# KiCad board ProDocument_ZYNQ7020_V1_2024-04-10.kicad_pcb
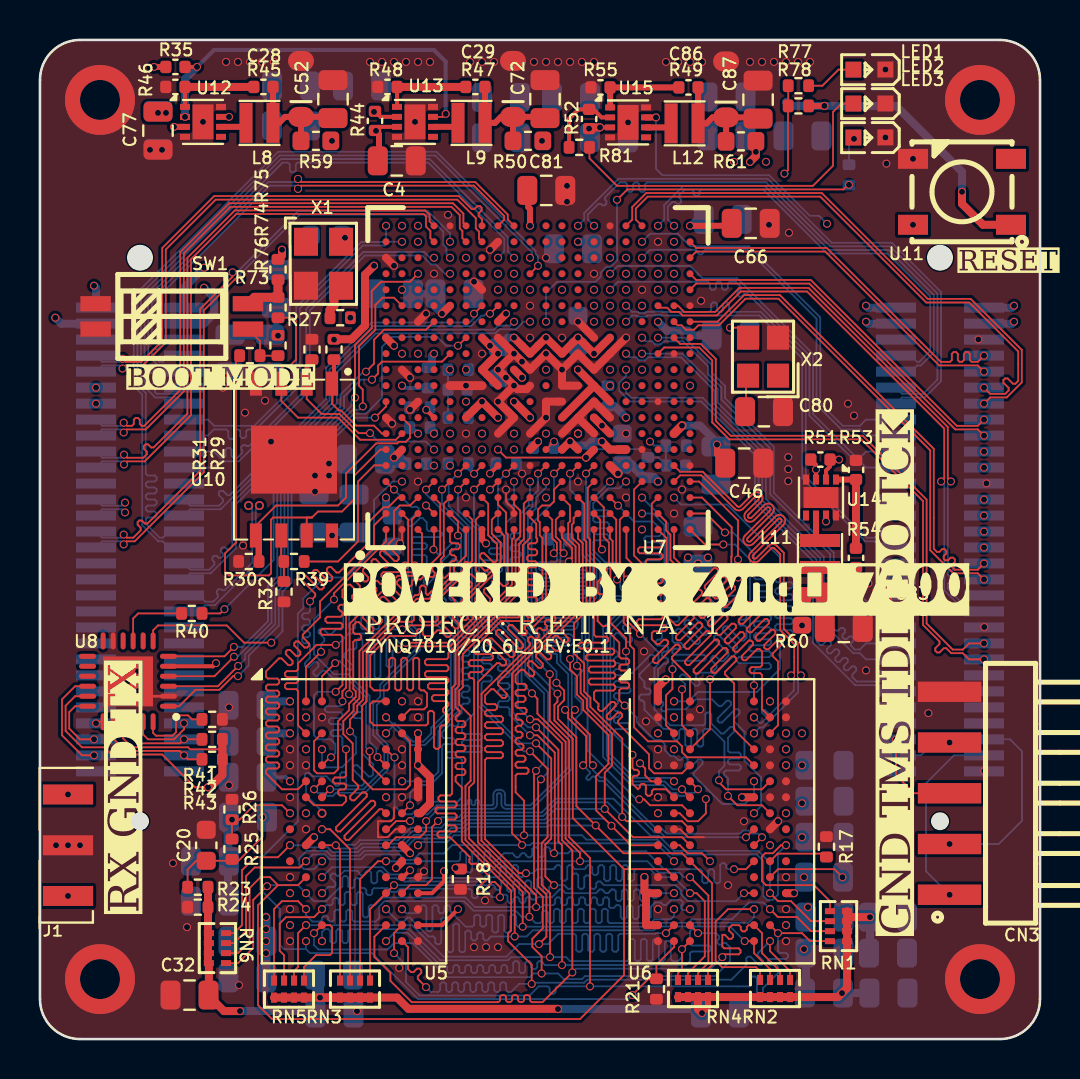
[diagram p0: board, top side]
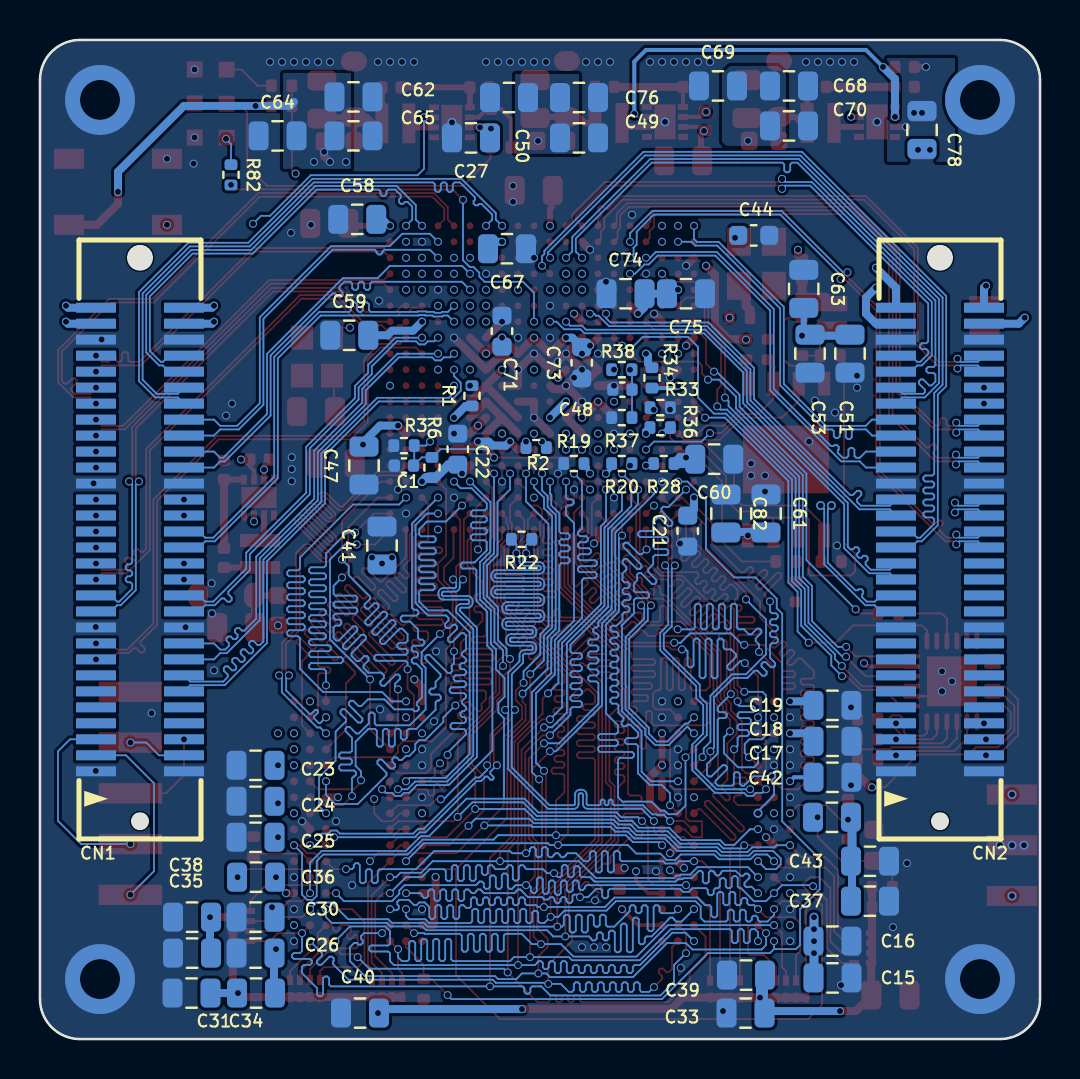
[diagram p1: board, bottom side, seen from below]

Outline 50 x 50 mm; copper layers: TOP_GND (plane), GND0 (plane), SIGNAL1, GND1 (plane), SIGNAL2, BOTTOM (plane). Coordinates in mm from the lower left corner of the outline.
Outline path: 0,48 0,2 arc(0.59,0.59) 2,0 48,0 arc(49.41,0.59) 50,2 50,48 arc(49.41,49.41) 48,50 2,50 arc(0.59,49.41) 0,48
Stack: TOP_GND 0.035mm / dielectric 0.274mm FR4 er 4.5 / GND0 0.035mm / dielectric 0.274mm FR4 er 4.5 / SIGNAL1 0.035mm / dielectric 0.274mm FR4 er 4.5 / GND1 0.035mm / dielectric 0.274mm FR4 er 4.5 / SIGNAL2 0.035mm / dielectric 0.274mm FR4 er 4.5 / BOTTOM 0.035mm

## Placement (name value [footprint] x y rotation side)
C1  100nF  [C_0402_1005Metric]  31.8 28.7 0 bottom
C4  22uF  [C_0805_2012Metric]  17.84 43.95 0 top
C15  100nF  [C_0805_2012Metric]  10.37 3.06 0 bottom
C16  100nF  [C_0805_2012Metric]  10.38 4.9 0 bottom
C17  100nF  [C_0805_2012Metric]  10.38 13.1 0 bottom
C18  100nF  [C_0805_2012Metric]  10.38 14.9 0 bottom
C19  100nF  [C_0805_2012Metric]  10.38 16.7 0 bottom
C20  100nF  [C_0603_1608Metric]  8.31 9.7 270 top
C21  100nF  [C_0603_1608Metric]  17.61 25.42 90 bottom
C22  100nF  [C_0603_1608Metric]  29.11 29.52 270 bottom
C23  100nF  [C_0805_2012Metric]  39.22 13.7 180 bottom
C24  100nF  [C_0805_2012Metric]  39.22 11.9 180 bottom
C25  100nF  [C_0805_2012Metric]  39.22 10.1 180 bottom
C26  100nF  [C_0805_2012Metric]  39.22 4.3 180 bottom
C27  22uF  [C_0805_2012Metric]  28.45 45.1 0 bottom
C28  47uF  [CAP-SMD_L3.2-W1.6-RD_WU]  13.05 47.55 270 top
C29  47uF  [CAP-SMD_L3.2-W1.6-RD_WU]  23.65 47.55 270 top
C30  100nF  [C_0805_2012Metric]  39.22 6.1 180 bottom
C31  100nF  [C_0805_2012Metric]  42.42 2.3 180 bottom
C32  100nF  [C_0805_2012Metric]  7.48 2.2 0 top
C33  100nF  [C_0805_2012Metric]  14.72 1.3 180 bottom
C34  100nF  [C_0805_2012Metric]  39.2 2.3 0 bottom
C35  100nF  [C_0805_2012Metric]  42.4 4.3 0 bottom
C36  100nF  [C_0805_2012Metric]  39.2 8.1 0 bottom
C37  100nF  [C_0805_2012Metric]  8.5 6.9 180 bottom
C38  100nF  [C_0805_2012Metric]  42.4 6.1 0 bottom
C39  100nF  [C_0805_2012Metric]  14.7 3.2 0 bottom
C40  100nF  [C_0805_2012Metric]  34 1.3 0 bottom
C41  100nF  [C_0805_2012Metric]  32.9 24.7 90 bottom
C42  100nF  [C_0805_2012Metric]  10.4 11.1 180 bottom
C43  100nF  [C_0805_2012Metric]  8.5 8.9 180 bottom
C44  100nF  [C_0603_1608Metric]  14.31 40.22 180 bottom
C46  100nF  [C_0805_2012Metric]  35.21 28.82 0 top
C47  100nF  [C_0805_2012Metric]  33.8 28.7 90 bottom
C48  100nF  [C_0402_1005Metric]  20.88 32.5 0 bottom
C49  100nF  [C_0805_2012Metric]  23.05 45.1 180 bottom
C50  100nF  [C_0805_2012Metric]  26.55 47.12 0 bottom
C51  100nF  [C_0805_2012Metric]  9.5 34.3 270 bottom
C52  100nF  [C_0805_2012Metric]  14.65 47.04 90 top
C53  100nF  [C_0805_2012Metric]  11.5 34.3 270 bottom
C58  100nF  [C_0805_2012Metric]  34.14 41.02 180 bottom
C59  100nF  [C_0805_2012Metric]  34.54 35.22 180 bottom
C60  100nF  [C_0805_2012Metric]  16.29 29.02 0 bottom
C61  100nF  [C_0805_2012Metric]  13.7 26.3 270 bottom
C62  100nF  [C_0805_2012Metric]  34.33 47.15 0 bottom
C63  100nF  [C_0805_2012Metric]  11.81 37.54 270 bottom
C64  100nF  [C_0805_2012Metric]  38.12 45.2 180 bottom
C65  100nF  [C_0805_2012Metric]  34.33 45.2 0 bottom
C66  100nF  [C_0805_2012Metric]  35.54 40.82 180 top
C67  100nF  [C_0805_2012Metric]  26.65 39.55 0 bottom
C68  100nF  [C_0805_2012Metric]  12.55 47.7 0 bottom
C69  100nF  [C_0805_2012Metric]  16.1 47.7 180 bottom
C70  100nF  [C_0805_2012Metric]  12.55 45.7 0 bottom
C71  100nF  [C_0603_1608Metric]  26.9 35.43 270 bottom
C72  100nF  [C_0805_2012Metric]  25.25 47.04 90 top
C73  100nF  [C_0603_1608Metric]  22.91 33.85 90 bottom
C74  100nF  [C_0805_2012Metric]  20.72 37.3 180 bottom
C75  100nF  [C_0805_2012Metric]  17.7 37.3 0 bottom
C76  100nF  [C_0805_2012Metric]  23.05 47.12 0 bottom
C77  22uF  [C_0805_2012Metric]  5.9 45.46 270 top
C78  22uF  [C_0805_2012Metric]  5.9 45.5 270 bottom
C80  100nF  [C_0805_2012Metric]  36.2 31.4 0 top
C81  100nF  [C_0805_2012Metric]  25.31 42.47 0 top
C82  100nF  [C_0805_2012Metric]  15.7 26.3 270 bottom
C83  47uF  [CAP-SMD_L3.2-W1.6-RD_WU]  40.7 22.2 180 top
C85  100nF  [C_0805_2012Metric]  40.19 20.6 0 top
C86  47uF  [CAP-SMD_L3.2-W1.6-RD_WU]  34.3 47.53 270 top
C87  100nF  [C_0805_2012Metric]  35.9 47.02 90 top
CN1  X0802WVS-60AS-LPV01  [CONN-SMD_60P-P0.80_XKB_X0802WVS-60ADS-LPV01]  45 25 90 bottom
CN2  X0802WVS-60AS-LPV01  [CONN-SMD_60P-P0.80_XKB_X0802WVS-60ADS-LPV01]  5 25 90 bottom
CN3  1125-1105G0Z087CR01  [CONN-SMD_1125-1105G0Z087CR01]  45.48 12.3 90 top
J1  Conn_01x03_Pin  [PinHeader_1x03_P2.54mm_Vertical_SMD_Pin1Left]  -0.26 9.7 180 top
L8  2.2uH  [L_Taiyo-Yuden_MD-2020]  10.98 45.85 0 top
L9  2.2uH  [L_Taiyo-Yuden_MD-2020]  21.57 45.85 0 top
L11  2.2uH  [L_Taiyo-Yuden_MD-2020]  39 24.27 270 top
L12  2.2uH  [L_Taiyo-Yuden_MD-2020]  32.23 45.83 0 top
LED1  ~  [LED_0603]  41.42 48.51 180 top
LED2  ~  [LED_0603]  41.42 46.81 180 top
LED3  ~  [LED_0603]  41.42 45.11 180 top
R1  10K  [R_0402_1005Metric]  28.4 32.19 90 bottom
R2  10K  [R_0402_1005Metric]  25.19 29.6 0 bottom
R3  10K  [R_0402_1005Metric]  31.8 29.7 0 bottom
R6  10K  [R_0402_1005Metric]  30.4 28.6 90 bottom
R17  10K  [R_0402_1005Metric]  39.32 9.62 90 top
R18  10K  [R_0402_1005Metric]  21.02 8 270 top
R19  10K  [R_0402_1005Metric]  23.31 28.8 180 bottom
R20  10K  [R_0402_1005Metric]  20.91 28.8 0 bottom
R21  10K  [R_0402_1005Metric]  30.82 2.5 90 top
R22  10K  [R_0402_1005Metric]  25.92 25.01 0 bottom
R23  10K  [R_0402_1005Metric]  7.89 7.6 0 top
R24  10K  [R_0402_1005Metric]  7.89 6.6 180 top
R25  10K  [R_0402_1005Metric]  9.6 9.5 90 top
R26  10K  [R_0402_1005Metric]  9.6 11.49 90 top
R27  10K  [R_0402_1005Metric]  15.01 36.1 0 top
R28  10kΩ  [R_0402_1005Metric]  18.81 28.8 0 bottom
R29  470  [R_0402_1005Metric]  14.7 34.51 270 top
R30  10kΩ  [R_0402_1005Metric]  10.44 23.9 0 top
R31  10kΩ  [R_0402_1005Metric]  13.6 34.51 270 top
R32  10kΩ  [R_0402_1005Metric]  12.2 22.39 90 top
R33  10kΩ  [R_0402_1005Metric]  18.99 31.6 0 bottom
R34  10K  [R_0402_1005Metric]  19.4 33.09 90 bottom
R35  10K  [C_0402_1005Metric]  6.77 48.65 0 top
R36  10K  [R_0402_1005Metric]  18.99 30.6 180 bottom
R37  10K  [R_0402_1005Metric]  20.91 31.1 0 bottom
R38  10K  [R_0402_1005Metric]  20.91 33.5 180 bottom
R39  10K  [R_0402_1005Metric]  12.7 23.9 180 top
R40  10K  [R_0402_1005Metric]  7.59 21.3 180 top
R41  10K  [R_0402_1005Metric]  8.61 16 180 top
R42  10K  [R_0402_1005Metric]  8.61 15 0 top
R43  10K  [R_0402_1005Metric]  8.61 14 0 top
R44  10K  [C_0402_1005Metric]  16.75 45.95 90 top
R45  200K  [C_0402_1005Metric]  11.17 47.65 0 top
R46  300K  [C_0402_1005Metric]  6.77 47.65 180 top
R47  200K  [C_0402_1005Metric]  21.77 47.65 0 top
R48  100K  [C_0402_1005Metric]  17.37 47.65 180 top
R49  200K  [C_0402_1005Metric]  32.42 47.62 0 top
R50  0R  [R_0603 COPY]  24.39 44.95 0 top
R51  10K  [C_0402_1005Metric]  39.02 29 0 top
R52  10K  [C_0402_1005Metric]  27.45 46.05 90 top
R53  133K  [C_0402_1005Metric]  40.8 28.48 90 top
R54  200K  [C_0402_1005Metric]  40.8 24.08 270 top
R55  44.2K  [C_0402_1005Metric]  28.02 47.63 180 top
R59  0R  [R_0603 COPY]  13.8 44.95 0 top
R60  0R  [R_0603 COPY]  38.1 21.45 270 top
R61  0R  [R_0603 COPY]  35.05 44.93 0 top
R73  20kΩ  [R_0402_1005Metric]  10.49 34.2 180 top
R74  20kΩ  [R_0402_1005Metric]  11.9 36.61 270 top
R75  10kΩ  [R_0402_1005Metric]  11.9 38.51 90 top
R76  10kΩ  [R_0402_1005Metric]  11.9 34.71 90 top
R77  10K  [R_0402_1005Metric]  37.92 47.71 180 top
R78  10K  [R_0402_1005Metric]  37.92 46.7 180 top
R81  10K  [R_0402_1005Metric]  26.96 44.63 180 top
R82  10K  [R_0402_1005Metric]  40.45 43.25 270 bottom
RN1  49.9Ω  [RES-ARRAY-SMD_0402-8P-L2.0-W1.0-BL]  39.93 5.65 90 top
RN2  49.9Ω  [RES-ARRAY-SMD_0402-8P-L2.0-W1.0-BL]  36.75 2.53 0 top
RN3  49.9Ω  [RES-ARRAY-SMD_0402-8P-L2.0-W1.0-BL]  15.75 2.5 0 top
RN4  49.9Ω  [RES-ARRAY-SMD_0402-8P-L2.0-W1.0-BL]  32.65 2.53 0 top
RN5  49.9Ω  [RES-ARRAY-SMD_0402-8P-L2.0-W1.0-BL]  12.45 2.5 0 top
RN6  49.9Ω  [RES-ARRAY-SMD_0402-8P-L2.0-W1.0-BL]  8.87 4.55 270 top
SW1  DSHP02TSGET  [SW-SMD_4P_DSHP02TSGET]  6.59 36.16 270 top
U5  MT41K256M16TW-107 IT:P  [Micron_FBGA-96_9x14mm_Layout9x16_P0.8mm]  15.7 10.9 0 top
U6  MT41K256M16TW-107 IT:P  [Micron_FBGA-96_9x14mm_Layout9x16_P0.8mm]  34.1 10.9 0 top
U7  ~  [FBGA-400_L17.0-W17.0-R20-C20-P0.80-TL]  24.9 33.1 90 top
U8  ~  [WQFN-24_L4.0-W4.0-P0.50-TL-EP2.5]  4.4 17.9 180 top
U10  W25Q128JVEIQ  [WSON-8_L6.0-W8.0-P1.27-BL-EP]  12.7 29 180 top
U11  WS2812B-V5  [LED-SMD_4P-L5.0-W5.0-TL_WS2812B-B]  46.1 42.4 180 top
U12  SY8003ADFC  [DFN-8-1EP_2x2mm_P0.5mm_EP1.05x1.75mm]  8.15 45.9 0 top
U13  SY8003ADFC  [DFN-8-1EP_2x2mm_P0.5mm_EP1.05x1.75mm]  18.75 45.9 0 top
U14  SY8003ADFC  [DFN-8-1EP_2x2mm_P0.5mm_EP1.05x1.75mm]  39.05 27.1 270 top
U15  SY8003ADFC  [DFN-8-1EP_2x2mm_P0.5mm_EP1.05x1.75mm]  29.4 45.88 0 top
X1  50MHz  [OSC-SMD_4P-L3.2-W2.5-BL]  14.18 38.8 270 top
X2  50MHz  [OSC-SMD_4P-L2.5-W2.0-BL]  36.15 34.15 90 top

## Library data of the parts
C4 C27 C52 C72 C77 C78 C85 C87 = -: Manufacturer: TDK; Manufacturer Part: C1608X5R1E106MT000E; Origin Footprint: C_0805_HD COPY; Supplier: LCSC; Supplier Part: C76614
C28 C29 C83 C86 = -: JLCPCB Part Class: Extended Part; Manufacturer: Sunlord; Manufacturer Part: TC212A476K006B; Origin Footprint: CAP-SMD_L3.2-W1.6-RD_WU; Supplier: LCSC; Supplier Part: C124826
J1 = -: Description: Generic connector, single row, 01x03, script generated; ki_fp_filters: Connector*:*_1x??_*
L8 L9 L11 L12 = -: JLCPCB Part Class: Extended Part; Manufacturer: Sumida; Manufacturer Part: 252012CDMCDDS-2R2MC; Origin Footprint: IND-SMD_L2.5-W2.0_WU; Supplier: LCSC; Supplier Part: C351245
R35 R44-R49 R51-R55 = -: Manufacturer: WTC; Manufacturer Part: WR06X1001FTL; Origin Footprint: R_0402 COPY; Supplier: LCSC; Supplier Part: C112433
R50 R59-R61 = -: Manufacturer: WTC; Manufacturer Part: WR06X1001FTL; Origin Footprint: R_0603 COPY; Supplier: LCSC; Supplier Part: C112433
U7 = -: Manufacturer Part: XC7Z020-1CLG400C; NO_CONNECT: yes
U12-U15 = -: JLCPCB Part Class: Extended Part; Manufacturer: Silergy; Origin Footprint: DFN-8_L2.0-W2.0-P0.50-LS2.0-BL-EP_WU; Supplier: LCSC; Supplier Part: C178236

## Footprints (pads in the part's own frame, mm; a bottom-side part is the same pattern mirrored in y, then rotated)
C_0402_1005Metric
  rrect 0.56x0.62 smd: 1(-0.48,0) 2(0.48,0)
C_0603_1608Metric
  rrect 0.9x0.95 smd: 1(-0.775,0) 2(0.775,0)
C_0805_2012Metric
  rrect 1x1.45 smd: 1(-0.95,0) 2(0.95,0)
CAP-SMD_L3.2-W1.6-RD_WU
  oval 1x1.296 smd: 1(1.4,0) 2(-1.4,0)
CONN-SMD_60P-P0.80_XKB_X0802WVS-60ADS-LPV01
  rect 0.5x2 smd: 1(-11.6,2.2) 2(-11.6,-2.2) 3(-10.8,2.2) 4(-10.8,-2.2) 5(-10,2.2) 6(-10,-2.2) 7(-9.2,2.2) 8(-9.2,-2.2) 9(-8.4,2.2) 10(-8.4,-2.2) 11(-7.6,2.2) 12(-7.6,-2.2) 13(-6.8,2.2) 14(-6.8,-2.2) 15(-6,2.2) 16(-6,-2.2) 17(-5.2,2.2) 18(-5.2,-2.2) 19(-4.4,2.2) 20(-4.4,-2.2) 21(-3.6,2.2) 22(-3.6,-2.2) 23(-2.8,2.2) 24(-2.8,-2.2) 25(-2,2.2) 26(-2,-2.2) 27(-1.2,2.2) 28(-1.2,-2.2) 29(-0.4,2.2) 30(-0.4,-2.2) 31(0.4,2.2) 32(0.4,-2.2) 33(1.2,2.2) 34(1.2,-2.2) 35(2,2.2) 36(2,-2.2) 37(2.8,2.2) 38(2.8,-2.2) 39(3.6,2.2) 40(3.6,-2.2) 41(4.4,2.2) 42(4.4,-2.2) 43(5.2,2.2) 44(5.2,-2.2) 45(6,2.2) 46(6,-2.2) 47(6.8,2.2) 48(6.8,-2.2) 49(7.6,2.2) 50(7.6,-2.2) 51(8.4,2.2) 52(8.4,-2.2) 53(9.2,2.2) 54(9.2,-2.2) 55(10,2.2) 56(10,-2.2) 57(10.8,2.2) 58(10.8,-2.2) 59(11.6,2.2) 60(11.6,-2.2)
CONN-SMD_1125-1105G0Z087CR01
  rect 1.02x3.17 smd: 1(-5.08,0) 2(-2.54,0) 3(0,0) 4(2.54,0) 5(5.08,0)
DFN-8-1EP_2x2mm_P0.5mm_EP1.05x1.75mm
  rect 0.85x0.65 smd: (0,0.438) (0,-0.438)
  rect 0.5x0.3 smd: 1(-0.9,0.75) 2(-0.9,0.25) 3(-0.9,-0.25) 4(-0.9,-0.75) 5(0.9,-0.75) 6(0.9,-0.25) 7(0.9,0.25) 8(0.9,0.75)
  rect 1.05x1.75 smd: 9(0,0)
FBGA-400_L17.0-W17.0-R20-C20-P0.80-TL
  round 0.35 smd: A1(-7.6,7.6) A2(-6.8,7.6) A3(-6,7.6) A4(-5.2,7.6) A5(-4.4,7.6) A6(-3.6,7.6) A7(-2.8,7.6) A8(-2,7.6) A9(-1.2,7.6) A10(-0.4,7.6) A11(0.4,7.6) A12(1.2,7.6) A13(2,7.6) A14(2.8,7.6) A15(3.6,7.6) A16(4.4,7.6) A17(5.2,7.6) A18(6,7.6) A19(6.8,7.6) A20(7.6,7.6) B1(-7.6,6.8) B2(-6.8,6.8) B3(-6,6.8) B4(-5.2,6.8) B5(-4.4,6.8) B6(-3.6,6.8) B7(-2.8,6.8) B8(-2,6.8) B9(-1.2,6.8) B10(-0.4,6.8) B11(0.4,6.8) B12(1.2,6.8) B13(2,6.8) B14(2.8,6.8) B15(3.6,6.8) B16(4.4,6.8) B17(5.2,6.8) B18(6,6.8) B19(6.8,6.8) B20(7.6,6.8) C1(-7.6,6) C2(-6.8,6) C3(-6,6) C4(-5.2,6) C5(-4.4,6) C6(-3.6,6) C7(-2.8,6) C8(-2,6) C9(-1.2,6) C10(-0.4,6) C11(0.4,6) C12(1.2,6) C13(2,6) C14(2.8,6) C15(3.6,6) C16(4.4,6) C17(5.2,6) C18(6,6) C19(6.8,6) C20(7.6,6) D1(-7.6,5.2) D2(-6.8,5.2) D3(-6,5.2) D4(-5.2,5.2) D5(-4.4,5.2) D6(-3.6,5.2) D7(-2.8,5.2) D8(-2,5.2) D9(-1.2,5.2) D10(-0.4,5.2) D11(0.4,5.2) D12(1.2,5.2) D13(2,5.2) D14(2.8,5.2) D15(3.6,5.2) D16(4.4,5.2) D17(5.2,5.2) D18(6,5.2) D19(6.8,5.2) D20(7.6,5.2) E1(-7.6,4.4) E2(-6.8,4.4) E3(-6,4.4) E4(-5.2,4.4) E5(-4.4,4.4) E6(-3.6,4.4) E7(-2.8,4.4) E8(-2,4.4) E9(-1.2,4.4) E10(-0.4,4.4) E11(0.4,4.4) E12(1.2,4.4) E13(2,4.4) E14(2.8,4.4) E15(3.6,4.4) E16(4.4,4.4) E17(5.2,4.4) E18(6,4.4) E19(6.8,4.4) E20(7.6,4.4) F1(-7.6,3.6) F2(-6.8,3.6) F3(-6,3.6) F4(-5.2,3.6) F5(-4.4,3.6) F6(-3.6,3.6) F7(-2.8,3.6) F8(-2,3.6) F9(-1.2,3.6) F10(-0.4,3.6) F11(0.4,3.6) F12(1.2,3.6) F13(2,3.6) F14(2.8,3.6) F15(3.6,3.6) F16(4.4,3.6) F17(5.2,3.6) F18(6,3.6) F19(6.8,3.6) F20(7.6,3.6) G1(-7.6,2.8) G2(-6.8,2.8) G3(-6,2.8) G4(-5.2,2.8) G5(-4.4,2.8) G6(-3.6,2.8) G7(-2.8,2.8) G8(-2,2.8) G9(-1.2,2.8) G10(-0.4,2.8) G11(0.4,2.8) G12(1.2,2.8) G13(2,2.8) G14(2.8,2.8) G15(3.6,2.8) G16(4.4,2.8) G17(5.2,2.8) G18(6,2.8) G19(6.8,2.8) G20(7.6,2.8) H1(-7.6,2) H2(-6.8,2) H3(-6,2) H4(-5.2,2) H5(-4.4,2) H6(-3.6,2) H7(-2.8,2) H8(-2,2) H9(-1.2,2) H10(-0.4,2) H11(0.4,2) H12(1.2,2) H13(2,2) H14(2.8,2) H15(3.6,2) H16(4.4,2) H17(5.2,2) H18(6,2) H19(6.8,2) H20(7.6,2) J1(-7.6,1.2) J2(-6.8,1.2) J3(-6,1.2) J4(-5.2,1.2) J5(-4.4,1.2) J6(-3.6,1.2) J7(-2.8,1.2) J8(-2,1.2) J9(-1.2,1.2) J10(-0.4,1.2) J11(0.4,1.2) J12(1.2,1.2) J13(2,1.2) J14(2.8,1.2) J15(3.6,1.2) J16(4.4,1.2) J17(5.2,1.2) J18(6,1.2) J19(6.8,1.2) J20(7.6,1.2) K1(-7.6,0.4) K2(-6.8,0.4) K3(-6,0.4) K4(-5.2,0.4) K5(-4.4,0.4) K6(-3.6,0.4) K7(-2.8,0.4) K8(-2,0.4) K9(-1.2,0.4) K10(-0.4,0.4) K11(0.4,0.4) K12(1.2,0.4) K13(2,0.4) K14(2.8,0.4) K15(3.6,0.4) K16(4.4,0.4) K17(5.2,0.4) K18(6,0.4) K19(6.8,0.4) K20(7.6,0.4) L1(-7.6,-0.4) L2(-6.8,-0.4) L3(-6,-0.4) L4(-5.2,-0.4) L5(-4.4,-0.4) L6(-3.6,-0.4) L7(-2.8,-0.4) L8(-2,-0.4) L9(-1.2,-0.4) L10(-0.4,-0.4) L11(0.4,-0.4) L12(1.2,-0.4) L13(2,-0.4) L14(2.8,-0.4) L15(3.6,-0.4) L16(4.4,-0.4) L17(5.2,-0.4) L18(6,-0.4) L19(6.8,-0.4) L20(7.6,-0.4) M1(-7.6,-1.2) M2(-6.8,-1.2) M3(-6,-1.2) M4(-5.2,-1.2) M5(-4.4,-1.2) M6(-3.6,-1.2) M7(-2.8,-1.2) M8(-2,-1.2) M9(-1.2,-1.2) M10(-0.4,-1.2) M11(0.4,-1.2) M12(1.2,-1.2) M13(2,-1.2) M14(2.8,-1.2) M15(3.6,-1.2) M16(4.4,-1.2) M17(5.2,-1.2) M18(6,-1.2) M19(6.8,-1.2) M20(7.6,-1.2) N1(-7.6,-2) N2(-6.8,-2) N3(-6,-2) N4(-5.2,-2) N5(-4.4,-2) N6(-3.6,-2) N7(-2.8,-2) N8(-2,-2) N9(-1.2,-2) N10(-0.4,-2) N11(0.4,-2) N12(1.2,-2) N13(2,-2) N14(2.8,-2) N15(3.6,-2) N16(4.4,-2) N17(5.2,-2) N18(6,-2) N19(6.8,-2) N20(7.6,-2) P1(-7.6,-2.8) P2(-6.8,-2.8) P3(-6,-2.8) P4(-5.2,-2.8) P5(-4.4,-2.8) P6(-3.6,-2.8) P7(-2.8,-2.8) P8(-2,-2.8) P9(-1.2,-2.8) P10(-0.4,-2.8) P11(0.4,-2.8) P12(1.2,-2.8) P13(2,-2.8) P14(2.8,-2.8) P15(3.6,-2.8) P16(4.4,-2.8) P17(5.2,-2.8) P18(6,-2.8) P19(6.8,-2.8) P20(7.6,-2.8) R1(-7.6,-3.6) R2(-6.8,-3.6) R3(-6,-3.6) R4(-5.2,-3.6) R5(-4.4,-3.6) R6(-3.6,-3.6) R7(-2.8,-3.6) R8(-2,-3.6) R9(-1.2,-3.6) R10(-0.4,-3.6) R11(0.4,-3.6) R12(1.2,-3.6) R13(2,-3.6) R14(2.8,-3.6) R15(3.6,-3.6) R16(4.4,-3.6) R17(5.2,-3.6) R18(6,-3.6) R19(6.8,-3.6) R20(7.6,-3.6) T1(-7.6,-4.4) T2(-6.8,-4.4) T3(-6,-4.4) T4(-5.2,-4.4) T5(-4.4,-4.4) T6(-3.6,-4.4) T7(-2.8,-4.4) T8(-2,-4.4) T9(-1.2,-4.4) T10(-0.4,-4.4) T11(0.4,-4.4) T12(1.2,-4.4) T13(2,-4.4) T14(2.8,-4.4) T15(3.6,-4.4) T16(4.4,-4.4) T17(5.2,-4.4) T18(6,-4.4) T19(6.8,-4.4) T20(7.6,-4.4) U1(-7.6,-5.2) U2(-6.8,-5.2) U3(-6,-5.2) U4(-5.2,-5.2) U5(-4.4,-5.2) U6(-3.6,-5.2) U7(-2.8,-5.2) U8(-2,-5.2) U9(-1.2,-5.2) U10(-0.4,-5.2) U11(0.4,-5.2) U12(1.2,-5.2) U13(2,-5.2) U14(2.8,-5.2) U15(3.6,-5.2) U16(4.4,-5.2) U17(5.2,-5.2) U18(6,-5.2) U19(6.8,-5.2) U20(7.6,-5.2) V1(-7.6,-6) V2(-6.8,-6) V3(-6,-6) V4(-5.2,-6) V5(-4.4,-6) V6(-3.6,-6) V7(-2.8,-6) V8(-2,-6) V9(-1.2,-6) V10(-0.4,-6) V11(0.4,-6) V12(1.2,-6) V13(2,-6) V14(2.8,-6) V15(3.6,-6) V16(4.4,-6) V17(5.2,-6) V18(6,-6) V19(6.8,-6) V20(7.6,-6) W1(-7.6,-6.8) W2(-6.8,-6.8) W3(-6,-6.8) W4(-5.2,-6.8) W5(-4.4,-6.8) W6(-3.6,-6.8) W7(-2.8,-6.8) W8(-2,-6.8) W9(-1.2,-6.8) W10(-0.4,-6.8) W11(0.4,-6.8) W12(1.2,-6.8) W13(2,-6.8) W14(2.8,-6.8) W15(3.6,-6.8) W16(4.4,-6.8) W17(5.2,-6.8) W18(6,-6.8) W19(6.8,-6.8) W20(7.6,-6.8) Y1(-7.6,-7.6) Y2(-6.8,-7.6) Y3(-6,-7.6) Y4(-5.2,-7.6) Y5(-4.4,-7.6) Y6(-3.6,-7.6) Y7(-2.8,-7.6) Y8(-2,-7.6) Y9(-1.2,-7.6) Y10(-0.4,-7.6) Y11(0.4,-7.6) Y12(1.2,-7.6) Y13(2,-7.6) Y14(2.8,-7.6) Y15(3.6,-7.6) Y16(4.4,-7.6) Y17(5.2,-7.6) Y18(6,-7.6) Y19(6.8,-7.6) Y20(7.6,-7.6)
L_Taiyo-Yuden_MD-2020
  rect 0.65x2 smd: 1(-0.675,0) 2(0.675,0)
LED-SMD_4P-L5.0-W5.0-TL_WS2812B-B
  rect 1.5x1 smd: 1(-2.45,1.65) 2(-2.45,-1.65) 3(2.45,-1.65) 4(2.45,1.65)
LED_0603
  rect 0.8x0.8 smd: 1(-0.851,-0.01) 2(0.75,-0.005)
Micron_FBGA-96_9x14mm_Layout9x16_P0.8mm
  round 0.4 smd: A1(-3.2,6) A2(-2.4,6) A3(-1.6,6) A7(1.6,6) A8(2.4,6) A9(3.2,6) B1(-3.2,5.2) B2(-2.4,5.2) B3(-1.6,5.2) B7(1.6,5.2) B8(2.4,5.2) B9(3.2,5.2) C1(-3.2,4.4) C2(-2.4,4.4) C3(-1.6,4.4) C7(1.6,4.4) C8(2.4,4.4) C9(3.2,4.4) D1(-3.2,3.6) D2(-2.4,3.6) D3(-1.6,3.6) D7(1.6,3.6) D8(2.4,3.6) D9(3.2,3.6) E1(-3.2,2.8) E2(-2.4,2.8) E3(-1.6,2.8) E7(1.6,2.8) E8(2.4,2.8) E9(3.2,2.8) F1(-3.2,2) F2(-2.4,2) F3(-1.6,2) F7(1.6,2) F8(2.4,2) F9(3.2,2) G1(-3.2,1.2) G2(-2.4,1.2) G3(-1.6,1.2) G7(1.6,1.2) G8(2.4,1.2) G9(3.2,1.2) H1(-3.2,0.4) H2(-2.4,0.4) H3(-1.6,0.4) H7(1.6,0.4) H8(2.4,0.4) H9(3.2,0.4) J1(-3.2,-0.4) J2(-2.4,-0.4) J3(-1.6,-0.4) J7(1.6,-0.4) J8(2.4,-0.4) J9(3.2,-0.4) K1(-3.2,-1.2) K2(-2.4,-1.2) K3(-1.6,-1.2) K7(1.6,-1.2) K8(2.4,-1.2) K9(3.2,-1.2) L1(-3.2,-2) L2(-2.4,-2) L3(-1.6,-2) L7(1.6,-2) L8(2.4,-2) L9(3.2,-2) M1(-3.2,-2.8) M2(-2.4,-2.8) M3(-1.6,-2.8) M7(1.6,-2.8) M8(2.4,-2.8) M9(3.2,-2.8) N1(-3.2,-3.6) N2(-2.4,-3.6) N3(-1.6,-3.6) N7(1.6,-3.6) N8(2.4,-3.6) N9(3.2,-3.6) P1(-3.2,-4.4) P2(-2.4,-4.4) P3(-1.6,-4.4) P7(1.6,-4.4) P8(2.4,-4.4) P9(3.2,-4.4) R1(-3.2,-5.2) R2(-2.4,-5.2) R3(-1.6,-5.2) R7(1.6,-5.2) R8(2.4,-5.2) R9(3.2,-5.2) T1(-3.2,-6) T2(-2.4,-6) T3(-1.6,-6) T7(1.6,-6) T8(2.4,-6) T9(3.2,-6)
OSC-SMD_4P-L2.5-W2.0-BL
  rect 1.2x1.1 smd: 1(-0.95,-0.75) 2(0.95,-0.75) 3(0.95,0.75) 4(-0.95,0.75)
OSC-SMD_4P-L3.2-W2.5-BL
  rect 1.4x1.2 smd: 1(-1.1,-0.875) 2(1.1,-0.875) 3(1.1,0.875) 4(-1.1,0.875)
PinHeader_1x03_P2.54mm_Vertical_SMD_Pin1Left
  rect 2.51x1 smd: 1(-1.655,2.54) 2(-1.655,0) 3(-1.655,-2.54)
R_0402_1005Metric
  rrect 0.54x0.64 smd: 1(-0.51,0) 2(0.51,0)
R_0603 COPY
  custom 0.84x0.93 smd: 1(-0.745,0) 2(0.745,0)
RES-ARRAY-SMD_0402-8P-L2.0-W1.0-BL
  rect 0.3x0.505 smd: 1(-0.75,0.427) 2(-0.25,0.427) 3(0.25,0.427) 4(0.75,0.427) 5(0.75,-0.427) 6(0.25,-0.427) 7(-0.25,-0.427) 8(-0.75,-0.427)
SW-SMD_4P_DSHP02TSGET
  rect 0.762x1.524 smd: 1(-0.635,-3.81) 2(0.635,-3.81) 3(0.635,3.81) 4(-0.635,3.81)
WQFN-24_L4.0-W4.0-P0.50-TL-EP2.5
  oval 0.851x0.249 smd: 1(-2.025,1.244) 2(-2.025,0.744) 3(-2.025,0.244) 4(-2.025,-0.257) 5(-2.025,-0.754) 6(-2.025,-1.255) 13(2.025,-1.255) 14(2.025,-0.754) 15(2.025,-0.257) 16(2.025,0.244) 17(2.025,0.744) 18(2.025,1.244)
  oval 0.249x0.851 smd: 7(-1.255,-2.025) 8(-0.757,-2.025) 9(-0.257,-2.025) 10(0.244,-2.025) 11(0.744,-2.025) 12(1.244,-2.025) 19(1.244,2.025) 20(0.744,2.025) 21(0.244,2.025) 22(-0.257,2.025) 23(-0.757,2.025) 24(-1.255,2.025)
  rect 2.499x2.499 smd: 25(0,0)
WSON-8_L6.0-W8.0-P1.27-BL-EP
  rect 0.6x1.2 smd: 1(-1.905,-3.8) 2(-0.635,-3.8) 3(0.635,-3.8) 4(1.905,-3.8) 5(1.905,3.8) 6(0.635,3.8) 7(-0.635,3.8) 8(-1.905,3.8)
  rect 4.3x3.4 smd: 9(0.001,0.001)

## Nets
1.0V: C68.2 C69.2 C70.2 C71.2 C73.2 R59.2 U7.G7 U7.G11 U7.G13 U7.H10 U7.H12 U7.J7 U7.J13 U7.K12 U7.L7 U7.L13 U7.M12 U7.N7 U7.N13 U7.P8 U7.P12 U7.R7 U7.R13
1.5V: C15.2 C16.2 C17.2 C18.2 C19.2 C20.2 C21.2 C22.2 C23.2 C24.2 C25.2 C26.2 C30.2 C34.1 C36.1 C41.1 C42.1 R6.1 R20.1 R23.1 R25.1 R60.2 U5.A1 U5.A8 U5.B2 U5.C1 U5.C9 U5.D2 U5.D9 U5.E9 U5.F1 U5.G7 U5.H2 U5.H9 U5.K2 U5.K8 U5.N1 U5.N9 U5.R1 U5.R9 U6.A1 U6.A8 U6.B2 U6.C1 U6.C9 U6.D2 U6.D9 U6.E9 U6.F1 U6.G7 U6.H2 U6.H9 U6.K2 U6.K8 U6.N1 U6.N9 U6.R1 U6.R9 U7.A3 U7.D2 U7.E5 U7.G1 U7.H4 U7.L3 U7.P2 U7.R5 U7.U1 U7.V4
1.8V: C49.1 C50.1 C74.2 C75.2 C76.2 R34.2 R38.1 R50.2 U7.A13 U7.B16 U7.D12 U7.E15 U7.F8 U7.F11 U7.G9 U7.H8 U7.J9 U7.J11 U7.K8 U7.L11 U7.M8 U7.N9 U7.N11 U7.P10 U7.R9 U8.5
3.3V: C46.1 C47.2 C51.1 C53.1 C58.2 C59.2 C60.2 C61.2 C62.2 C63.2 C64.2 C65.2 C66.2 C67.2 C81.1 C82.2 R1.1 R2.1 R28.1 R29.1 R36.1 R42.2 R43.2 R61.2 R75.2 R76.2 R78.1 U7.B6 U7.C19 U7.D7 U7.F18 U7.H14 U7.J17 U7.K6 U7.K20 U7.M6 U7.M16 U7.N6 U7.N19 U7.R6 U7.R15 U7.T6 U7.T8 U7.T18 U7.U11 U7.V14 U7.W7 U7.W17 U7.Y10 U7.Y20 U8.17 U8.21 U10.8 U11.1
5V: C4.1 C27.1 C77.1 C78.1 CN1.57 CN1.58 CN1.59 CN1.60 CN2.57 CN2.58 CN2.59 CN2.60 R35.1 R44.1 R51.1 R52.1 U12.3 U12.7 U13.3 U14.3 U15.3
GND: C1.2 C4.2 C15.1 C16.1 C17.1 C18.1 C19.1 C20.1 C21.1 C22.1 C23.1 C24.1 C25.1 C26.1 C27.2 C28.2 C29.2 C30.1 C31.1 C32.1 C33.1 C35.2 C37.2 C38.2 C39.2 C40.2 C41.2 C43.2 C44.2 C46.2 C47.1 C48.2 C49.2 C50.2 C51.2 C52.2 C53.2 C58.1 C59.1 C60.1 C61.1 C62.1 C63.1 C64.1 C65.1 C66.1 C67.1 C68.1 C69.1 C70.1 C71.1 C72.2 C73.1 C74.1 C75.1 C76.1 C77.2 C78.2 C80.2 C81.2 C82.1 C83.2 C85.2 C86.2 C87.2 CN1.1 CN1.2 CN1.19 CN1.20 CN1.37 CN1.38 CN1.55 CN1.56 CN2.1 CN2.2 CN2.19 CN2.20 CN2.37 CN2.38 CN2.55 CN2.56 CN3.5 J1.2 LED1.1 LED2.1 LED3.1 R3.2 R17.2 R18.2 R19.1 R21.1 R24.2 R26.2 R30.1 R31.1 R32.1 R33.1 R37.2 R41.1 R46.2 R48.2 R53.2 R55.2 SW1.1 SW1.2 U5.A9 U5.B1 U5.B3 U5.B9 U5.D1 U5.D8 U5.E1 U5.E2 U5.E8 U5.F9 U5.G1 U5.G8 U5.G9 U5.J2 U5.J8 U5.M1 U5.M9 U5.P1 U5.P9 U5.T1 U5.T9 U6.A9 U6.B1 U6.B3 U6.B9 U6.D1 U6.D8 U6.E1 U6.E2 U6.E8 U6.F9 U6.G1 U6.G8 U6.G9 U6.J2 U6.J8 U6.M1 U6.M9 U6.P1 U6.P9 U6.T1 U6.T9 U7.A8 U7.A18 U7.B1 U7.B11 U7.C4 U7.C9 U7.C14 U7.D17 U7.E10 U7.E20 U7.F3 U7.F7 U7.F10 U7.G10 U7.G12 U7.G16 U7.H7 U7.H9 U7.H11 U7.H13 U7.H19 U7.J2 U7.J8 U7.J10 U7.J12 U7.K5 U7.K7 U7.K10 U7.K11 U7.K13 U7.K15 U7.L8 U7.L9 U7.L12 U7.L18 U7.M1 U7.M7 U7.M9 U7.M10 U7.M11 U7.M13 U7.N4 U7.N8 U7.N10 U7.N12 U7.N14 U7.P7 U7.P9 U7.P11 U7.P13 U7.P17 U7.R8 U7.R12 U7.R20 U7.T3 U7.T7 U7.T13 U7.U6 U7.U16 U7.V9 U7.V19 U7.W2 U7.W12 U7.Y5 U7.Y15 U8.2 U8.11 U8.25 U10.4 U10.9 U11.3 U12.4 U12.8 U12.9 U13.4 U13.8 U13.9 U14.4 U14.8 U14.9 U15.4 U15.8 U15.9 X1.2 X2.2
AIO_0: U7.R19
AIO_1_N: CN1.14 U7.T10
AIO_1_P: CN1.12 U7.T11
AIO_2_N: CN1.18 U7.U12
AIO_2_P: CN1.16 U7.T12
AIO_3_N: CN1.24 U7.V13
AIO_3_P: CN1.22 U7.U13
AIO_4_N: CN1.17 U7.W13
AIO_4_P: CN1.15 U7.V12
AIO_5_N: CN1.32 U7.T15
AIO_5_P: CN1.30 U7.T14
AIO_6_N: CN1.28 U7.R14
AIO_6_P: CN1.26 U7.P14
AIO_7_N: CN1.45 U7.Y17
AIO_7_P: CN1.43 U7.Y16
AIO_8_N: CN1.27 U7.Y14
AIO_8_P: CN1.25 U7.W14
AIO_9_N: U7.U17
AIO_9_P: U7.T16 U11.4
AIO_10_N: CN1.23 U7.W15
AIO_10_P: CN1.21 U7.V15
AIO_11_P: U7.U14
AIO_12_N: CN1.46 U7.U19
AIO_12_P: CN1.44 U7.U18
AIO_13_N: U7.P19
AIO_13_P: U7.N18
AIO_14_N: CN1.50 U7.P20
AIO_14_P: CN1.48 U7.N20
AIO_15_N: CN1.49 U7.U20
AIO_15_P: CN1.47 U7.T20